# Altium PCB Bran_Main_Assay_PCB_v2.PcbDoc (part 12 of 15) (continued)
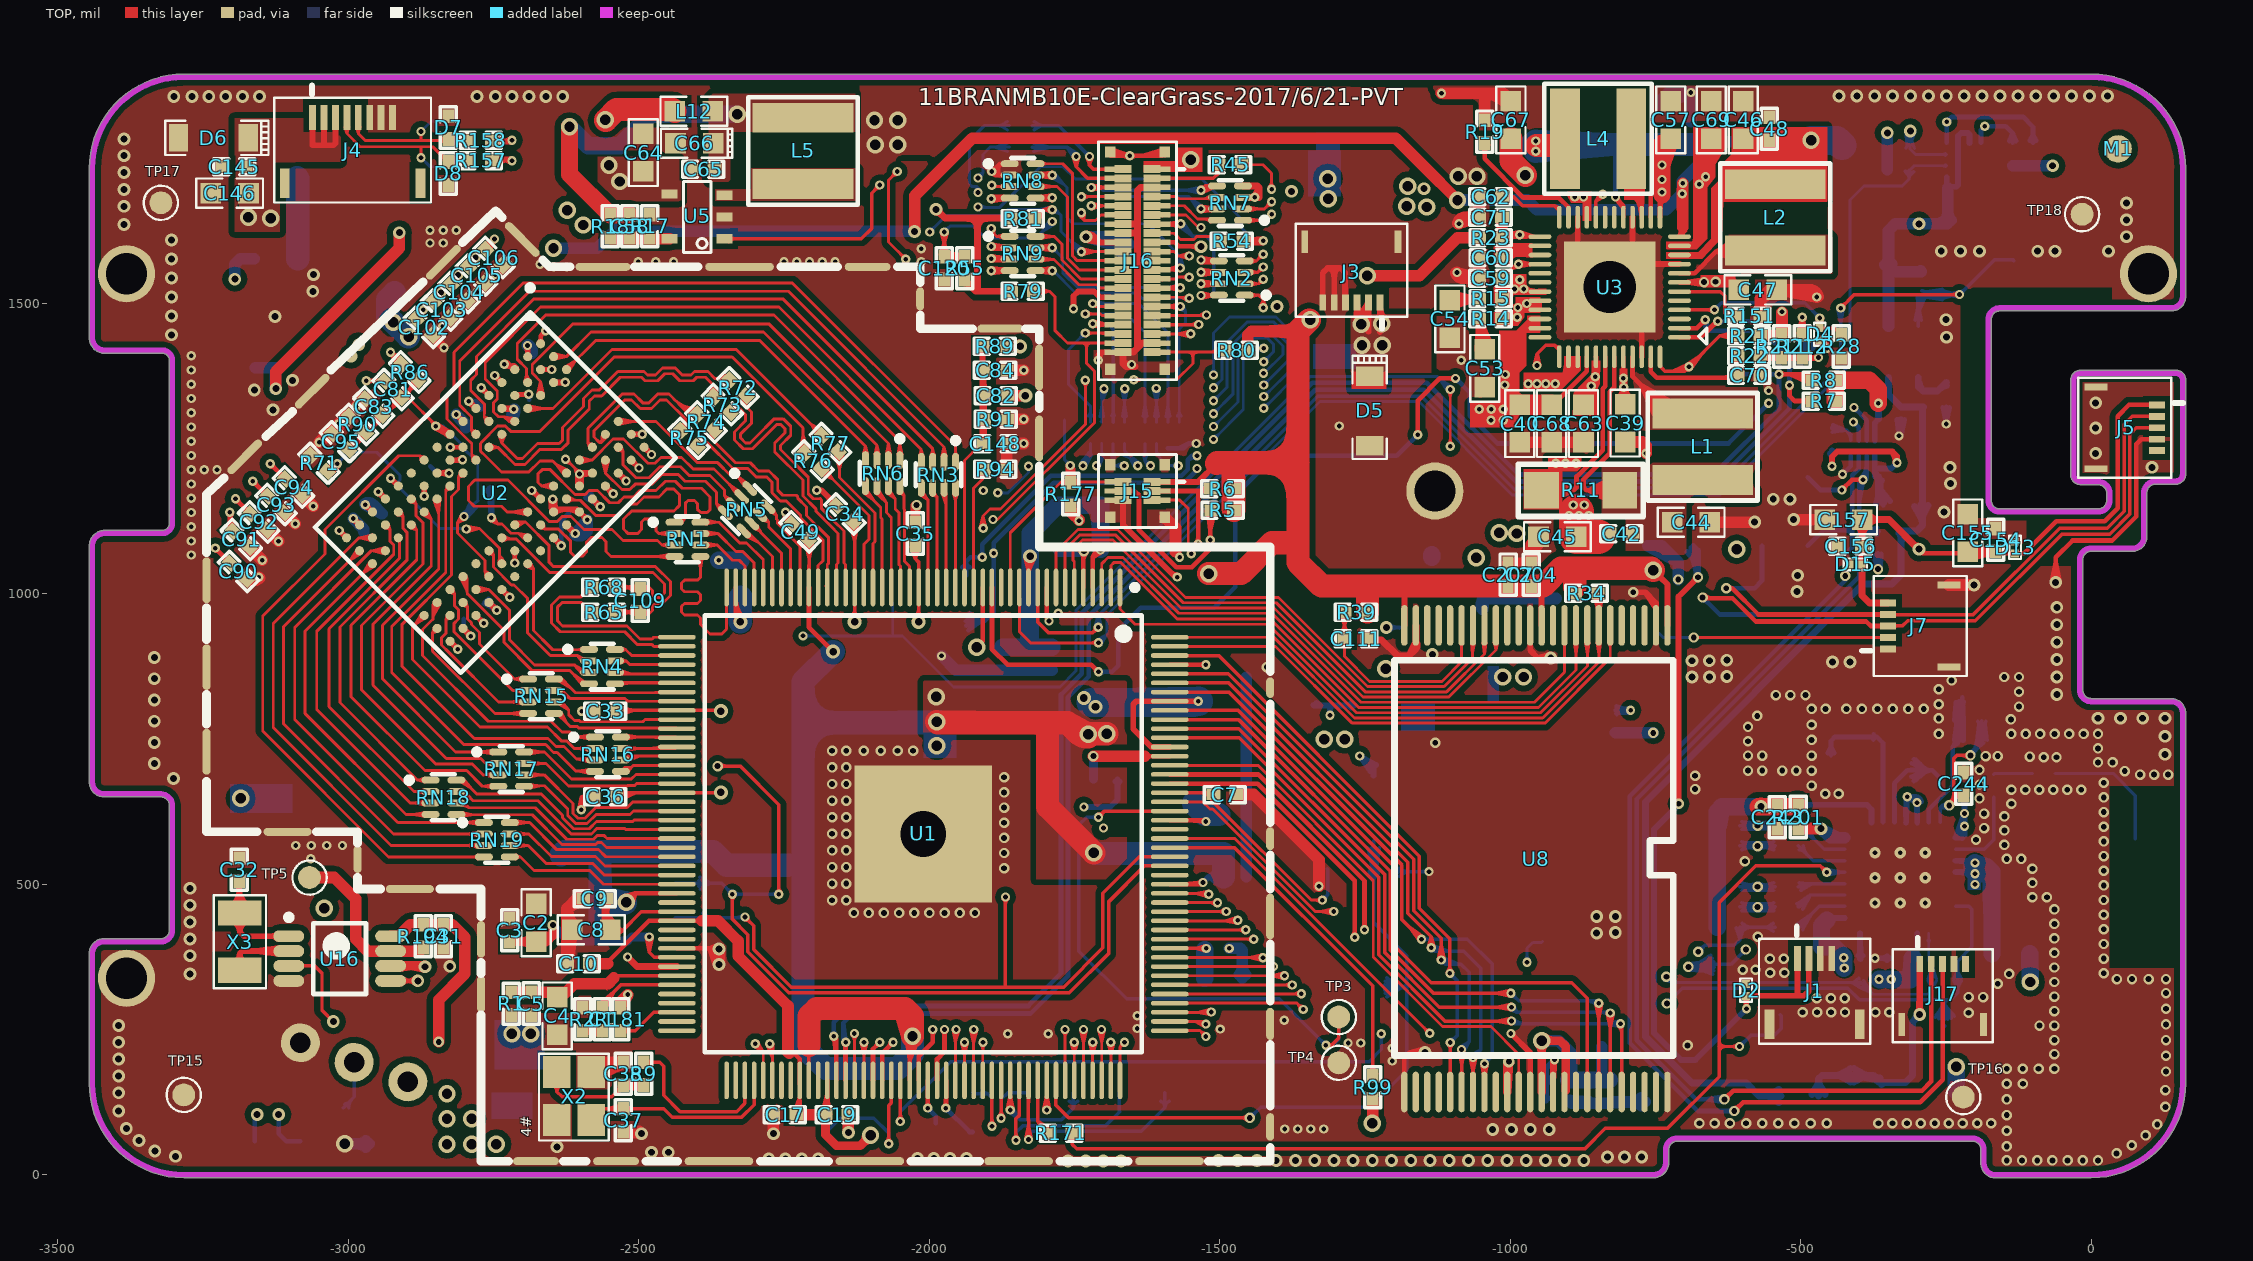
[diagram p0: TOP view]
## Nets (pads, with @x,y where several pads share a name; then routed paths per layer and width w, separated by ;. In a path a pad name is that pad's centre, name@x,y a point inside that pad or via, vN(x,y) a via of type N, cw(c..) or ccw(c..) an arc to the next point about the centre after c; other vN are vias at no path point) (continued)
SDQ7: RN1.6 U1.42 | length 246.8
  TOP w5: RN1.6@-2394.18,1084.08 -2365.03,1084.08 ; RN1.6@-2384.37,1080.6 -2365.03,1084.08 ; RN1.6@-2384.37,1087.57 -2365.03,1084.08 ; RN1.6@-2383.86,1080.68 -2378.42,1083.79 ; RN1.6@-2383.86,1087.48 -2378.42,1084.37 ; RN1.6@-2383.55,1080.77 -2378.42,1084.37 ; RN1.6@-2383.55,1087.39 -2378.42,1083.79 ; RN1.6@-2382.2,1081.61 cw(c-2376.23,1075.63) -2376.23,1084.08 cw(c-2376.23,1092.53) RN1.6@-2382.2,1086.56 ; U1.42@-2317.52,1011.13 -2317.52,1048.13 ; U1.42@-2317.52,1039.68 -2317.52,1048.13 ; RN1.6@-2384.68,1084.08 -2378.42,1084.37 ; RN1.6@-2384.68,1084.08 -2378.42,1083.79 ; RN1.6@-2384.68,1084.08 -2365.03,1084.08 ; -2365.03,1084.08 -2338.86,1057.91 -2327.3,1057.91 -2317.52,1048.13
SDQ8: RN5.7 U1.37 | length 224.8
  TOP w5: RN5.7@-2291.74,1136.15 -2288.71,1136.15 -2276.48,1123.92 ; RN5.7@-2286.38,1126.2 -2276.48,1123.92 ; RN5.7@-2286.09,1126.1 -2279.99,1125.98 ; RN5.7@-2284.16,1126.04 cw(c-2282.18,1118.22) -2276.48,1123.92 ; RN5.7@-2282.64,1132 -2276.48,1123.92 ; RN5.7@-2282.3,1131.63 -2279.99,1125.98 ; U1.37@-2238.78,1011.13 -2238.78,1077.26 -2276.48,1114.96 -2276.48,1123.92 ; U1.37@-2238.78,1039.68 -2238.78,1058.61 ; -2279.99,1125.98 -2285.02,1129.43 -2276.48,1123.92
SDQ9: RN6.7 U1.25 | length 256.8
  TOP w5: RN6.7@-2072.89,1173.52 -2058.7,1163.58 ; RN6.7@-2070.6,1172.67 cw(c-2070.6,1165.89) -2065.8,1170.68 ; RN6.7@-2070.6,1176.17 -2058.7,1163.58 ; RN6.7@-2070.6,1185.67 -2070.59,1175.47 -2058.7,1163.58 ; RN6.7@-2067.82,1178.31 -2058.7,1163.58 ; RN6.7@-2067.1,1176.17 ccw(c-2056.98,1176.17) -2064.14,1169.02 ; U1.25@-2049.8,1011.13 -2049.8,1048.07 ; U1.25@-2049.8,1039.68 -2049.8,1048.07 ; -2058.7,1163.58 -2058.7,1146.13 -2052.6,1140.03 -2052.6,1050.87 -2049.8,1048.07
SDQ10: RN5.5 U1.39 | length 267.8
  TOP w5: RN5.5@-2319.58,1108.31 -2314.04,1108.31 -2270.27,1064.54 U1.39@-2270.27,1011.13 ; RN5.5@-2314.61,1098.56 -2294.97,1089.24 ; RN5.5@-2314.2,1098.36 -2301.94,1095.17 ; RN5.5@-2312.86,1098.09 cw(c-2312.86,1076.26) -2297.42,1091.7 ; RN5.5@-2312.86,1103.09 cw(c-2312.86,1093.33) -2305.96,1100.23 ; RN5.5@-2310.68,1104.33 -2301.94,1095.17 ; RN5.5@-2310.64,1104.3 -2294.97,1089.24 ; U1.39@-2270.27,1039.68 -2270.27,1058.61 ; -2301.94,1095.17 -2312.86,1101.59 -2294.97,1089.24
SDQ11: RN6.8 U1.24 | length 231.2
  TOP w5: RN6.8@-2052.71,1173.17 -2043.7,1169.8 ; RN6.8@-2050.91,1176.17 -2043.7,1169.8 ; RN6.8@-2050.91,1185.67 -2050.9,1177 -2043.7,1169.8 ; RN6.8@-2050.84,1172.67 cw(c-2050.63,1162.87) -2043.7,1169.8 ; RN6.8@-2048.15,1178.33 -2043.7,1169.8 ; RN6.8@-2047.41,1176.17 ccw(c-2040.99,1176.17) -2045.53,1171.63 ; U1.24@-2034.05,1011.13 -2034.05,1047.54 ; U1.24@-2034.05,1039.68 -2034.05,1047.54 ; -2043.7,1169.8 -2043.7,1146.34 -2042.6,1145.24 -2042.6,1056.09 -2034.05,1047.54
SDQ12: RN5.8 U1.36 | length 264
  TOP w5: RN5.8@-2277.81,1150.07 -2263.43,1135.67 ; RN5.8@-2273.14,1140.51 -2263.43,1135.67 ; RN5.8@-2272.92,1140.37 -2266.88,1138.72 ; RN5.8@-2272.64,1140.21 -2266.46,1139.12 ; RN5.8@-2271.1,1139.85 cw(c-2271.1,1131.42) -2265.13,1137.38 ; RN5.8@-2268.25,1145.39 -2263.43,1135.67 ; RN5.8@-2268.11,1145.17 -2266.46,1139.12 ; RN5.8@-2267.95,1144.89 -2266.88,1138.72 ; RN5.8@-2267.6,1143.35 ccw(c-2259.13,1143.35) -2265.12,1137.37 ; U1.36@-2223.03,1011.13 -2223.03,1082.73 -2261.48,1121.18 -2261.48,1127.1 -2263.43,1129.05 -2263.43,1135.67 ; U1.36@-2223.03,1039.68 -2223.03,1058.61 ; RN5.8@-2271.1,1143.35 -2266.88,1138.72 ; RN5.8@-2271.1,1143.35 -2263.43,1135.67 ; RN5.8@-2271.1,1143.35 -2266.46,1139.12
SDQ13: RN6.6 U1.26 | length 309.3
  TOP w5: RN6.6@-2092.73,1173.68 -2075.3,1158.96 ; RN6.6@-2092.56,1173.52 -2084.92,1169.25 ; RN6.6@-2090.28,1185.67 -2090.27,1173.93 -2073.7,1157.36 -2073.7,1139.91 -2065.55,1131.76 U1.26@-2065.55,1011.13 ; RN6.6@-2087.47,1178.26 -2075.3,1158.96 ; RN6.6@-2087.14,1177.72 -2084.92,1169.25 ; RN6.6@-2086.78,1176.17 ccw(c-2072.94,1176.17) -2082.73,1166.39 ; U1.26@-2065.55,1039.68 -2065.55,1058.61 ; -2084.92,1169.25 -2090.28,1176.17 -2075.3,1158.96
SDQ14: RN5.6 U1.38 | length 238.6
  TOP w5: RN5.6@-2305.65,1122.23 -2290.34,1106.92 ; RN5.6@-2301.03,1112.71 -2290.34,1106.92 ; RN5.6@-2300.76,1112.53 -2294.71,1110.88 ; RN5.6@-2300.48,1112.37 -2294.3,1111.29 ; RN5.6@-2298.93,1112.01 cw(c-2298.93,1103.56) -2292.96,1109.54 ; RN5.6@-2296.13,1117.61 -2290.34,1106.92 ; RN5.6@-2295.95,1117.34 -2294.3,1111.29 ; RN5.6@-2295.79,1117.06 -2294.71,1110.88 ; RN5.6@-2295.44,1115.51 ccw(c-2286.99,1115.52) -2292.96,1109.54 ; U1.38@-2254.52,1011.13 -2254.52,1070.01 -2290.34,1105.83 -2290.34,1106.92 ; U1.38@-2254.52,1039.68 -2254.52,1058.61 ; RN5.6@-2298.94,1115.51 -2294.3,1111.29 ; RN5.6@-2298.94,1115.51 -2294.71,1110.88 ; RN5.6@-2298.94,1115.51 -2290.34,1106.92
SDQ15: RN6.5 U1.27 | length 285
  TOP w5: RN6.5@-2112.33,1173.59 -2094.85,1159.99 ; RN6.5@-2109.97,1172.67 cw(c-2109.97,1166.78) -2105.8,1170.95 ; RN6.5@-2109.97,1176.17 -2094.85,1159.99 ; RN6.5@-2109.97,1185.67 -2109.96,1175.1 -2083.7,1148.84 -2083.7,1131.49 -2081.3,1129.09 U1.27@-2081.3,1011.13 ; RN6.5@-2107.23,1178.35 -2094.85,1159.99 ; RN6.5@-2106.47,1176.17 ccw(c-2095.46,1176.17) -2103.24,1168.39 ; U1.27@-2081.3,1039.68 -2081.3,1058.61
SDQM0: R76.1 U1.29 | length 452.9
  TOP w5: R76.1@-2189.02,1207.39 -2166,1197.3 ; R76.1@-2188.55,1207.12 -2172.87,1202.99 ; R76.1@-2186.54,1206.41 -2176.31,1208.13 ; R76.1@-2185.12,1206.27 cw(c-2185.12,1181.78) -2167.8,1199.1 ; R76.1@-2185.12,1211.27 cw(c-2185.12,1198.85) -2176.34,1207.63 ; R76.1@-2184.84,1213.33 -2182.04,1213.33 -2103.71,1135 -2103.71,1094.1 -2112.79,1085.02 U1.29@-2112.79,1011.13 ; R76.1@-2179.59,1218.44 -2166,1197.3 ; R76.1@-2179.28,1218.07 -2176.31,1208.13 ; R76.1@-2179.17,1217.92 -2172.87,1202.99 ; R76.1@-2177.77,1213.61 ccw(c-2166.81,1213.61) -2174.56,1205.86 ; U1.29@-2112.79,1039.68 -2112.79,1058.61 ; R76.1@-2185.12,1213.61 -2166,1197.3 ; R76.1@-2185.12,1213.61 -2176.31,1208.13 ; R76.1@-2185.12,1213.61 -2172.87,1202.99
SDQM1: R77.1 U1.28 | length 430.7
  TOP w5: R77.1@-2162.39,1242.58 -2154.84,1215.49 ; R77.1@-2162.24,1241.81 -2155.47,1230.05 ; R77.1@-2160.31,1238.42 cw(c-2173.52,1225.21) -2154.84,1225.21 ; -2154.84,1226.56 cw(c-2138.06,1226.56) R77.1@-2149.93,1238.42 ; R77.1@-2154.84,1243.33 -2154.84,1200.29 -2093.71,1139.16 -2093.71,1089.95 -2097.04,1086.62 U1.28@-2097.04,1011.13 ; R77.1@-2148.1,1241.44 -2155.47,1230.05 ; R77.1@-2147.83,1242.72 -2154.84,1215.49 ; U1.28@-2097.04,1039.68 -2097.04,1058.61 ; -2155.47,1230.05 -2155.12,1243.61 -2154.84,1215.49
SDQS0: R72.1 U1.31 | length 610.8
  TOP w5: R72.1@-2321.46,1339.4 -2317.35,1324.17 ; R72.1@-2319.31,1334.42 cw(c-2324.04,1329.68) R72.1@-2317.35,1329.68 ; -2317.35,1323.84 cw(c-2307.64,1323.84) R72.1@-2311.33,1332.82 ; R72.1@-2314.12,1339.61 -2317.35,1324.17 ; R72.1@-2313.84,1339.33 -2317.35,1335.82 -2317.35,1324.17 ; R72.1@-2307.48,1336.47 -2317.35,1324.17 ; U1.31@-2144.29,1011.13 -2144.29,1050.78 ; U1.31@-2144.29,1039.68 -2144.29,1050.78 ; -2317.35,1324.17 -2306.39,1313.2 -2306.39,1293.77 -2325.43,1274.73 -2325.43,1269.07 -2316.27,1259.91 -2308.51,1259.91 -2299.36,1269.06 -2266.98,1301.45 -2251.64,1301.45 -2238.65,1288.46 -2238.65,1273.12 -2256.1,1255.67 -2256.1,1248.59 -2208.52,1201.01 -2208.52,1172.3 -2200.02,1163.81 -2188.01,1163.81 -2187.79,1164.02 -2185.43,1161.66 -2185.43,1146.64 -2184.43,1145.64 -2164.88,1126.08 -2147.16,1108.37 -2147.16,1053.65 -2144.29,1050.78
SDQS0-N: R73.1 U1.32 | length 595.1
  TOP w5: R73.1@-2344.54,1317.1 -2331.15,1320.02 ; R73.1@-2341.12,1310.61 -2331.15,1320.02 ; R73.1@-2340.84,1310.33 -2331.15,1320.02 ; R73.1@-2339.35,1317.74 ccw(c-2337.27,1326.15) -2331.15,1320.02 ; R73.1@-2334.83,1306.82 -2331.15,1320.02 ; R73.1@-2333.86,1311.73 cw(c-2324.33,1313.2) -2331.15,1320.02 ; U1.32@-2160.04,1011.13 -2160.04,1050.77 ; U1.32@-2160.04,1039.68 -2160.04,1050.77 ; -2331.15,1320.02 -2327.34,1320.02 -2316.39,1309.06 -2316.39,1297.92 -2335.43,1278.88 -2335.43,1264.92 -2320.42,1249.91 -2304.36,1249.91 -2289.36,1264.91 -2262.83,1291.45 -2255.79,1291.45 -2248.65,1284.31 -2248.65,1277.27 -2266.1,1259.82 -2266.1,1244.44 -2217.52,1195.86 -2217.52,1168.57 -2195.43,1146.49 -2195.43,1142.49 -2194.43,1141.48 -2169.02,1116.08 -2157.16,1104.22 -2157.16,1053.65 -2160.04,1050.77
SDQS1: R74.1 U1.33 | length 475.4
  TOP w5: R74.1@-2376.41,1281.44 -2374.43,1266.48 ; -2374.43,1265.52 cw(c-2366.44,1265.52) R74.1@-2367.84,1273.38 ; -2374.43,1271.48 cw(c-2367.5,1271.48) R74.1@-2368.71,1278.3 ; R74.1@-2369.12,1280.61 -2374.43,1266.48 ; R74.1@-2368.84,1280.33 -2374.43,1274.74 -2374.43,1266.48 ; R74.1@-2363.08,1276.43 -2374.43,1266.48 ; U1.33@-2178.43,1013.78 U1.33@-2175.78,1011.13 -2175.78,1050.42 ; U1.33@-2175.78,1039.68 -2175.78,1050.42 ; -2374.43,1266.48 -2333.79,1225.84 -2308.35,1225.84 -2294.12,1211.61 -2276.12,1211.61 -2260.92,1196.41 -2260.92,1178.41 -2252.43,1169.92 -2229.28,1169.92 -2226.52,1167.16 -2226.52,1164.85 -2211.43,1149.76 -2211.43,1134.86 -2173.32,1096.75 -2173.32,1052.88 -2175.78,1050.42
SDQS1-N: R75.1 U1.34 | length 450.1
  TOP w5: R75.1@-2401.81,1258.95 -2389.43,1261.92 ; R75.1@-2398.12,1252.61 -2389.43,1261.92 ; R75.1@-2397.84,1252.33 -2397.84,1253.51 -2389.43,1261.92 ; R75.1@-2396.6,1259.79 ccw(c-2394.97,1267.47) -2389.43,1261.92 ; R75.1@-2391.53,1249.36 -2389.43,1261.92 ; R75.1@-2391.13,1254.87 cw(c-2384.51,1257) -2389.43,1261.92 ; U1.34@-2191.53,1011.13 -2191.53,1048.82 ; U1.34@-2191.53,1039.68 -2191.53,1048.82 ; -2389.43,1261.92 -2384.02,1261.92 -2337.94,1215.84 -2312.5,1215.84 -2298.27,1201.61 -2280.27,1201.61 -2270.92,1192.26 -2270.92,1174.26 -2256.58,1159.92 -2246.23,1159.92 -2221.43,1135.12 -2221.43,1130.71 -2183.32,1092.6 -2183.32,1057.03 -2191.53,1048.82
SODT: RN19.5 U1.72 | length 403.2
  TOP w5: RN19.5@-2722.18,547.39 -2703.9,547.39 ; RN19.5@-2711.98,543.96 -2703.9,547.39 ; RN19.5@-2711.98,550.82 -2703.9,547.39 ; RN19.5@-2711.86,543.99 -2706.42,547.1 ; RN19.5@-2711.86,550.79 -2706.42,547.68 ; RN19.5@-2711.55,544.08 -2706.42,547.68 ; RN19.5@-2711.55,550.7 -2706.42,547.1 ; RN19.5@-2710.2,544.92 cw(c-2704.23,538.94) -2704.23,547.39 cw(c-2704.23,555.84) RN19.5@-2710.2,549.87 ; -2482.12,500.31 U1.72@-2463.18,500.31 ; U1.72@-2434.64,500.31 -2560.82,500.31 -2584.43,523.92 -2680.43,523.92 -2703.9,547.39 ; RN19.5@-2712.68,547.39 -2706.42,547.68 ; RN19.5@-2712.68,547.39 -2706.42,547.1 ; RN19.5@-2712.68,547.39 -2703.9,547.39
SRAS: RN16.6 U1.58 | length 374.3
  TOP w5: RN16.6@-2531.09,714.2 -2524.52,720.78 ; RN16.6@-2526.18,718.8 cw(c-2521.4,714.01) -2521.4,720.78 ; RN16.6@-2525.09,714.31 -2523.15,720.55 ; RN16.6@-2523.24,717.29 -2514.2,720.14 ; RN16.6@-2522.65,715.26 cw(c-2509.32,701.94) -2509.32,720.78 ; RN16.6@-2520.33,710.94 -2499.63,720.78 ; RN16.6@-2520.14,711.02 -2505.25,719.73 ; RN16.6@-2519.11,711.73 cw(c-2497.25,689.87) -2497.25,720.78 ; RN16.6@-2518.93,711.93 -2514.2,720.14 ; RN16.6@-2518.54,715.92 -2523.15,720.55 ; -2482.12,720.78 U1.58@-2463.18,720.78 ; U1.58@-2434.64,720.78 -2524.52,720.78 ; -2524.52,720.78 RN16.6@-2521.59,714.2 ; -2524.52,720.78 -2518.83,716.36 -2524.52,720.78 ; -2524.52,720.78 -2525.04,713.6 -2524.52,720.78 ; -2524.52,720.78 RN16.6@-2521.59,714.2 ; -2523.15,720.55 RN16.6@-2521.59,714.2 ; RN16.6@-2521.59,714.2 -2514.2,720.14 ; RN16.6@-2521.59,714.2 -2505.25,719.73 ; RN16.6@-2521.59,714.2 -2499.63,720.78 ; -2505.25,719.73 -2522.37,717.61 -2499.63,720.78
SRST: RN19.7 U1.70 | length 443.1
  TOP w5: RN19.7@-2722.18,586.76 -2689.43,586.76 -2650.59,547.92 -2574.47,547.92 -2558.35,531.8 U1.70@-2434.64,531.8 ; RN19.7@-2712.39,583.27 -2691.68,586.76 ; RN19.7@-2712.39,590.25 -2691.68,586.76 ; RN19.7@-2711.86,583.36 -2706.42,586.47 ; RN19.7@-2711.86,590.16 -2706.42,587.05 ; RN19.7@-2711.55,583.45 -2706.42,587.05 ; RN19.7@-2711.55,590.07 -2706.42,586.47 ; RN19.7@-2710.2,584.29 cw(c-2704.23,578.31) -2704.23,586.76 cw(c-2704.23,595.21) RN19.7@-2710.2,589.24 ; -2482.12,531.8 U1.70@-2463.18,531.8 ; RN19.7@-2712.68,586.76 -2706.42,587.05 ; RN19.7@-2712.68,586.76 -2706.42,586.47 ; RN19.7@-2712.68,586.76 -2691.68,586.76
SVREF: C82.2 C84.1 C148.2 R89.1 R91.2 U1.18 | length 2452.9
  TOP w5: U1.18@-1939.56,1011.13 -1939.56,1229.8 C148.2@-1910.44,1258.92 ; U1.18@-1939.56,1039.68 -1939.56,1058.61 ; -1924.64,1244.72 cw(c-1908.08,1228.16) C148.2@-1908.08,1251.58 ; -1918.95,1250.41 ccw(c-1927.46,1258.92) C148.2@-1915.42,1258.92 ; C84.1@-1915.8,1383.45 -1909.59,1372.54 ; C84.1@-1915.67,1382.96 -1908.38,1371.29 ; C148.2@-1915.22,1260.64 -1908.7,1272.03 ; C148.2@-1915.04,1261.28 -1907.49,1272.09 ; C82.2@-1914.93,1342.65 -1909.47,1352.51 ; C82.2@-1914.89,1342.89 -1908.27,1356.53 ; R91.2@-1914.87,1299.28 -1908.66,1288.35 ; R91.2@-1914.87,1302.49 -1908.66,1313.41 ; C82.2@-1914.87,1339.78 -1908.66,1328.85 ; R91.2@-1914.74,1298.79 -1907.45,1287.14 ; R91.2@-1914.74,1302.97 -1907.45,1314.63 ; C82.2@-1914.74,1339.29 -1907.45,1327.64 ; C84.1@-1914,1384.67 -1909.03,1360.04 ; C84.1@-1913.82,1379.86 cw(c-1925.37,1368.3) -1909.03,1368.31 ; C148.2@-1913.44,1259.42 -1908.1,1283.89 ; C148.2@-1913.27,1264.11 ccw(c-1925.77,1276.61) -1908.1,1276.61 ; C82.2@-1913.08,1341.49 -1909.03,1366.58 ; R91.2@-1913.07,1300.5 -1908.1,1275.87 ; R91.2@-1913.07,1301.27 -1908.1,1325.89 ; C82.2@-1913.07,1341 -1908.1,1316.38 ; R91.2@-1912.89,1295.69 cw(c-1924.47,1284.11) -1908.1,1284.11 ; R91.2@-1912.89,1306.07 ccw(c-1924.47,1317.65) -1908.1,1317.65 ; C82.2@-1912.89,1336.19 cw(c-1924.47,1324.61) -1908.1,1324.61 ; C82.2@-1912.9,1346.57 ccw(c-1922.26,1355.92) -1909.02,1355.93 ; -1909.03,1362.28 ccw(c-1886.81,1362.29) C82.2@-1902.51,1346.58 ; -1909.03,1366.34 cw(c-1889.92,1366.35) C84.1@-1903.44,1379.86 ; C84.1@-1909.04,1385.04 C82.2@-1909.02,1342.31 ; C148.2@-1908.53,1259.23 C148.2@-1910.44,1258.92 ; C148.2@-1908.48,1259.24 C148.2@-1908.1,1259.3 ; -1908.1,1276.69 ccw(c-1890.32,1276.69) C148.2@-1902.89,1264.11 ; -1908.1,1282.2 cw(c-1889.02,1282.2) R91.2@-1902.51,1295.69 ; -1908.1,1319.57 ccw(c-1889.02,1319.57) R91.2@-1902.51,1306.07 ; -1908.1,1322.7 cw(c-1889.02,1322.7) C82.2@-1902.51,1336.19 ; C84.1@-1906.66,1385.05 -1909.03,1360.04 ; C148.2@-1906.11,1258.92 -1908.1,1283.89 ; C84.1@-1901.79,1382.38 -1909.59,1372.54 ; C84.1@-1901.52,1383.22 -1908.38,1371.29 ; C82.2@-1901.22,1344.84 -1909.47,1352.51 ; C148.2@-1901.14,1261.3 -1908.7,1272.03 ; C148.2@-1900.95,1260.65 -1907.49,1272.09 ; R91.2@-1900.86,1298.21 -1908.66,1288.35 ; R91.2@-1900.86,1303.55 -1908.66,1313.41 ; C82.2@-1900.86,1338.71 -1908.66,1328.85 ; C82.2@-1900.65,1343.42 -1908.27,1356.53 ; R91.2@-1900.59,1299.05 -1907.45,1287.14 ; R91.2@-1900.59,1302.71 -1907.45,1314.63 ; C82.2@-1900.59,1339.55 -1907.45,1327.64 ; C84.1@-1899.53,1383.3 -1909.03,1360.04 ; C148.2@-1898.96,1260.57 -1908.1,1283.89 ; C82.2@-1898.67,1343.38 -1909.03,1366.58 ; R91.2@-1898.6,1299.13 -1908.1,1275.87 ; R91.2@-1898.6,1302.63 -1908.1,1325.89 ; C82.2@-1898.6,1339.63 -1908.1,1316.38 ; C148.2@-1910.44,1258.92 -1908.48,1258.92 C148.2@-1908.1,1259.3 ; -1909.59,1372.54 -1908.63,1385.05 -1908.38,1371.29 ; -1909.47,1352.51 C82.2@-1907.7,1341.38 ; -1909.03,1366.58 C82.2@-1905.73,1341.38 -1908.1,1316.38 ; C82.2@-1909.02,1342.31 C82.2@-1908.48,1341.77 ; C82.2@-1909.02,1342.31 C82.2@-1908.48,1341.77 ; -1908.7,1272.03 -1908.08,1258.92 -1907.49,1272.09 ; -1908.66,1288.35 R91.2@-1907.7,1300.88 ; -1908.66,1313.41 R91.2@-1907.7,1300.88 ; -1908.66,1328.85 C82.2@-1907.7,1341.38 ; C82.2@-1908.48,1341.77 C82.2@-1908.1,1341.38 ; C82.2@-1908.48,1341.77 C82.2@-1908.1,1341.38 ; -1908.27,1356.53 C82.2@-1907.7,1341.38 ; C148.2@-1908.1,1259.3 -1908.1,1300.88 C82.2@-1908.1,1341.38 ; -1908.1,1275.87 R91.2@-1905.73,1300.88 -1908.1,1325.89 ; R91.2@-1907.7,1300.88 -1907.45,1314.63 ; R91.2@-1907.7,1300.88 -1907.45,1287.14 ; C82.2@-1907.7,1341.38 -1907.45,1327.64
  TOP w6: R89.1@-1915.75,1424.47 -1909.31,1413.84 ; R89.1@-1914,1425.63 -1908.48,1403.51 ; R89.1@-1913.88,1424.89 -1908.19,1414.23 ; R89.1@-1913.87,1421.32 cw(c-1925.55,1409.06) -1908.62,1409.47 ; R89.1@-1909.55,1426.27 -1909.02,1425.74 -1908.48,1403.51 ; R89.1@-1909.15,1426.27 -1909.31,1413.84 ; -1908.64,1410.05 cw(c-1892.53,1410.44) R89.1@-1904.2,1421.55 ; R89.1@-1902.6,1424.31 -1909.31,1413.84 ; R89.1@-1900.81,1423.79 -1908.19,1414.23 ; R89.1@-1900.49,1424.86 -1908.48,1403.51 ; -1908.48,1403.51 R89.1@-1907.18,1426.27 -1908.19,1414.23
  TOP w8.92: C82.2@-1909.02,1342.31 C82.2@-1908.48,1341.38
  TOP w9.22: R91.2@-1908.48,1300.89 R91.2@-1908.1,1300.88
  TOP w10: R89.1@-1912.58,1422.85 cw(c-1922.47,1412.96) -1908.48,1412.96 ; C84.1@-1912.01,1381.58 cw(c-1919.2,1374.21) -1908.9,1374.34 ; C84.1@-1911.95,1388.58 ccw(c-1919.01,1396.08) -1908.71,1395.77 ; C148.2@-1911.51,1262.35 ccw(c-1918.82,1269.66) -1908.48,1269.66 ; R89.1@-1909.55,1426.27 -1909.02,1425.74 -1908.48,1425.2 -1908.48,1403.51 ; C84.1@-1909.04,1385.02 -1908.48,1341.77 C82.2@-1908.48,1341.38 ; C84.1@-1909.04,1385.05 -1909.04,1385.12 -1908.48,1403.51 ; C84.1@-1908.99,1381.43 C82.2@-1905.73,1341.38 ; -1908.88,1372.38 cw(c-1895.8,1372.54) C84.1@-1905.16,1381.67 ; -1908.68,1396.82 ccw(c-1897.72,1396.49) C84.1@-1905.29,1388.56 ; -1908.65,1354.94 ccw(c-1894.31,1355.12) C82.2@-1904.32,1344.85 ; C82.2@-1908.52,1345.02 C84.1@-1906.66,1385.05 -1908.48,1403.51 ; C148.2@-1908.48,1258.92 -1908.48,1259.24 R91.2@-1908.48,1300.88 ; C148.2@-1908.48,1260.82 R91.2@-1905.73,1300.88 C82.2@-1908.48,1340.94 ; -1908.48,1271.57 ccw(c-1895.43,1271.57) C148.2@-1904.66,1262.35 ; -1908.48,1287.32 cw(c-1894.14,1287.32) R91.2@-1904.28,1297.46 ; R91.2@-1908.48,1298.93 C148.2@-1906.11,1258.92 R91.2@-1905.86,1299.04 ; R91.2@-1908.48,1300.89 C82.2@-1908.48,1341.38 ; R91.2@-1908.48,1301.32 C82.2@-1905.73,1341.38 ; -1908.48,1314.45 ccw(c-1894.14,1314.45) R91.2@-1904.28,1304.31 ; -1908.48,1327.82 cw(c-1894.14,1327.82) C82.2@-1904.28,1337.96 ; -1908.48,1416.21 cw(c-1899.09,1416.21) R89.1@-1905.73,1422.85 ; C82.2@-1908.1,1341.38 C82.2@-1908.48,1341.38 ; -1908.12,1351.23 -1907.7,1341.38 -1907.99,1331.53 ; -1907.99,1291.03 -1907.7,1300.88 -1907.99,1310.73 ; R89.1@-1907.18,1426.27 -1908.48,1403.51 ; C84.1@-1906.82,1381.7 C82.2@-1905.73,1341.38 ; R91.2@-1905.76,1301.24 C82.2@-1905.73,1341.38
SWE: RN17.8 U1.60 | length 418.2
  TOP w5: RN17.8@-2697.55,728.03 -2662.43,727.92 -2616.01,681.5 -2512.99,681.5 -2505.21,689.28 U1.60@-2434.64,689.28 ; RN17.8@-2687.77,724.54 -2667.05,727.94 ; RN17.8@-2687.74,731.52 -2667.05,727.94 ; RN17.8@-2687.25,724.62 -2681.83,727.7 ; RN17.8@-2687.21,731.43 -2681.74,728.27 ; RN17.8@-2686.95,724.71 -2681.74,728.27 ; RN17.8@-2686.89,731.33 -2681.83,727.7 ; RN17.8@-2685.58,725.55 cw(c-2679.7,719.63) -2679.67,727.98 ; RN17.8@-2685.57,730.5 ccw(c-2679.5,736.53) -2679.53,727.98 ; -2482.12,689.28 U1.60@-2463.18,689.28 ; RN17.8@-2688.05,728.03 -2667.05,727.94 ; RN17.8@-2688.05,728.03 -2681.74,728.27 ; RN17.8@-2688.05,728.03 -2681.83,727.7
SZQ: R94.2 U1.17 | length 383.6
  TOP w5: U1.17@-1923.82,1011.13 -1923.82,1182.05 -1908.48,1197.39 ; U1.17@-1923.82,1039.68 -1923.82,1058.61 ; R94.2@-1915.29,1213.55 -1908.48,1197.39 ; R94.2@-1915.25,1213.32 -1909.04,1202.39 ; R94.2@-1915.04,1212.57 -1907.71,1202.35 ; R94.2@-1913.27,1209.73 cw(c-1924.85,1198.15) -1908.48,1198.15 ; R94.2@-1908.48,1214.92 -1908.48,1197.39 ; R94.2@-1903.13,1209.5 ccw(c-1892.09,1197.39) -1908.48,1197.39 ; R94.2@-1901.24,1212.25 -1909.04,1202.39 ; R94.2@-1901,1212.99 -1907.71,1202.35 ; R94.2@-1900.94,1213.22 -1908.48,1197.39 ; -1909.04,1202.39 R94.2@-1908.08,1214.92 ; -1908.48,1197.39 R94.2@-1908.08,1214.92 ; R94.2@-1908.08,1214.92 -1907.71,1202.35
TP-INT: J15.2 R177.1 TP30.1 U1.13 | length 1420.3
  TOP w5: U1.13@-1860.82,1011.13 -1860.82,1105.33 -1773.24,1192.91 ; U1.13@-1860.82,1039.68 -1860.82,1058.61 ; -1772.4,1192.91 cw(c-1772.4,1177.71) R177.1@-1761.66,1188.46 ; R177.1@-1763.76,1194.44 v1@-1757.46,1218.51 ; R177.1@-1763.67,1195.05 -1757.95,1205.26 ; R177.1@-1763.61,1195.35 -1756.74,1208.32 ; v1@-1762.93,1220.34 R177.1@-1757.46,1198 ; v1@-1762.93,1221.61 R177.1@-1762.74,1198.36 ; v1@-1762.9,1220.15 R177.1@-1756.64,1198.01 ; v1@-1762.81,1219.71 -1757.92,1211.16 ; v1@-1762.7,1219.32 R177.1@-1754.63,1203.22 ; v1@-1762.67,1219.22 -1757.01,1211.16 ; v1@-1762.49,1218.76 R177.1@-1750.51,1198.63 ; v1@-1762.38,1218.53 -1755.77,1211.51 ; R177.1@-1762.21,1198.23 cw(c-1773.24,1207.01) -1773.24,1192.91 ; R177.1@-1761.66,1198.85 ccw(c-1771.78,1208.97) -1757.46,1208.97 ; v1@-1761.35,1217.11 cw(c-1770.74,1207.72) -1757.46,1207.72 cw(c-1744.19,1207.72) v1@-1753.58,1217.11 ; v1@-1760.21,1216.24 cw(c-1763.67,1210.25) -1756.99,1212.04 ; R177.1@-1759.12,1184.84 -1768.47,1192.4 ; R177.1@-1758.93,1186.74 -1768.08,1193.89 ; R177.1@-1758.64,1200.67 -1768.08,1193.89 ; R177.1@-1758.59,1184.66 -1773.24,1192.91 ; R177.1@-1758.29,1198.8 -1768.47,1192.4 ; R177.1@-1757.54,1198.95 -1773.24,1192.91 ; v1@-1757.46,1213.79 ccw(c-1736.32,1213.79) -1751.27,1198.85 ccw(c-1736.95,1213.17) -1736.95,1192.91 ; -1755.47,1206.34 cw(c-1743.11,1209.66) v1@-1753.15,1217.59 ; R177.1@-1754.64,1198.8 -1744.46,1192.4 ; R177.1@-1754.6,1186.55 -1742.19,1193.6 ; R177.1@-1754.55,1200.74 -1742.19,1193.6 ; R177.1@-1753.81,1184.84 -1744.46,1192.4 ; v1@-1752.29,1219.13 R177.1@-1762.74,1198.36 ; v1@-1752.26,1219.22 -1757.92,1211.16 ; v1@-1752.12,1219.71 -1757.01,1211.16 ; v1@-1752.06,1222 R177.1@-1750.51,1198.63 ; v1@-1751.98,1220.54 R177.1@-1756.64,1198.01 ; v1@-1751.96,1221.03 R177.1@-1754.63,1203.22 ; R177.1@-1751.27,1188.46 cw(c-1740.52,1177.71) -1740.52,1192.91 ; R177.1@-1749.84,1196.82 -1757.95,1205.26 ; R177.1@-1749.39,1195.63 -1756.74,1208.32 ; R177.1@-1749.25,1195.03 v1@-1757.46,1218.51 ; -1713.82,1192.91 J15.2@-1694.09,1192.91 ; J15.2@-1695.67,1191.34 ccw(c-1699.46,1187.54) -1699.46,1192.91 ccw(c-1699.46,1198.28) J15.2@-1695.67,1194.49 ; J15.2@-1689.96,1192.91 -1756.46,1192.91 R177.1@-1757.46,1192.91 ; J15.2@-1687.1,1192.91 J15.2@-1666.73,1192.91 J15.2@-1685.83,1192.91 ; J15.2@-1684.25,1191.34 cw(c-1680.46,1187.54) -1680.46,1192.91 cw(c-1680.46,1198.28) J15.2@-1684.25,1194.49 ; -1773.24,1192.91 R177.1@-1756.46,1191.68 ; -1773.24,1192.91 R177.1@-1757.46,1192.91 ; -1768.47,1192.4 R177.1@-1756.46,1191.68 ; -1768.08,1193.89 R177.1@-1756.46,1193.65 ; R177.1@-1762.74,1198.36 v1(-1757.46,1221) ; -1757.95,1205.26 R177.1@-1756.46,1193.65 ; -1757.92,1211.16 v1(-1757.46,1221) ; R177.1@-1757.46,1192.91 v1(-1757.46,1221) ; R177.1@-1757.46,1198 v1(-1757.46,1221) ; R177.1@-1757.46,1198 -1752,1220.34 -1755.77,1211.51 ; v1@-1757.46,1218.51 R177.1@-1756.46,1193.65 ; v1(-1757.46,1221) R177.1@-1756.64,1198.01 ; v1(-1757.46,1221) R177.1@-1750.51,1198.63 ; v1(-1757.46,1221) -1755.77,1211.51 ; v1(-1757.46,1221) -1757.01,1211.16 ; v1(-1757.46,1221) R177.1@-1754.63,1203.22 ; -1756.74,1208.32 R177.1@-1756.46,1193.65 ; R177.1@-1756.46,1191.68 -1744.46,1192.4 ; R177.1@-1756.46,1193.65 -1742.19,1193.6
  BOTTOM w5: TP30.1@-1767.72,1299.21 -1767.72,1231.25 v1(-1757.46,1221) ; v1@-1762.96,1221 ccw(c-1776.24,1221) -1766.85,1230.39 ccw(c-1757.46,1239.78) v1@-1757.46,1226.5
TS: J2.2 R178.2 U3.37 | length 3589
  TOP w6: v1@-958.98,1393.93 -954.02,1413.31 ; v1@-958.88,1394.48 -954.43,1402.25 ; v1@-958.75,1394.92 -953.6,1402.25 ; v1@-957.55,1396.84 ccw(c-966.09,1405.38) -954.02,1405.38 ccw(c-941.94,1405.38) v1@-950.48,1396.84 ; v1@-949.28,1394.92 -954.43,1402.25 ; v1@-949.16,1394.48 -953.6,1402.25 ; v1@-949.06,1393.93 -954.02,1413.31 ; -921.46,1426.38 U3.37@-915.63,1423.98 ; U3.37@-915.63,1408.23 -915.63,1419.92 -924.02,1428.31 ; U3.37@-915.64,1424.91 cw(c-915.82,1436.5) -924.02,1428.31 ; -954.43,1402.25 v1(-954.02,1393.31) ; v1(-954.02,1393.31) -953.6,1402.25 ; v1(-954.02,1393.31) -954.02,1413.31 ; -954.02,1413.31 -939.02,1428.31 -924.02,1428.31
  Singal w6: J2.2@-2990.16,193.82 -2930.15,253.83 -2844.34,253.83 -2734.34,143.83 -2032.33,143.83 -1978.32,197.83 -1639.3,197.83 -1623.83,213.31 -1392.54,213.31 -1324.95,280.9 -1324.95,411.16 -1241.45,494.66 -1241.45,665.02 -939.2,967.26 -939.2,1259.74 -885.46,1313.47 -885.46,1375 -903.77,1393.31 v1(-954.02,1393.31) ; v1@-953.53,1388.33 -928.02,1393.31 v1@-953.53,1398.28 ; v1@-952.84,1388.45 -945.07,1392.9 ; v1@-952.84,1398.17 -945.07,1393.72 ; v1@-952.4,1388.57 -945.07,1393.72 ; v1@-952.4,1398.04 -945.07,1392.9 ; v1@-950.48,1389.77 cw(c-941.94,1381.24) -941.94,1393.31 cw(c-941.94,1405.38) v1@-950.48,1396.84 ; v1(-954.02,1393.31) -945.07,1393.72 ; v1(-954.02,1393.31) -945.07,1392.9
  BOTTOM w6: R178.2@-3008.51,115.84 -2990.16,134.19 J2.2@-2990.16,193.82 ; R178.2@-3006.66,122 ccw(c-3006.66,132.43) -2999.29,125.06 ; R178.2@-2999.82,115.16 cw(c-2977.21,115.16) -2993.2,131.15
TWI0-SCK: R8.2 TP7.1 U1.101 U3.2 | length 3792.7
  TOP w8: v1@-2167.28,236 cw(c-2184.75,218.52) -2160.04,218.52 ; -2160.88,224.92 v1(-2164.45,238.83) ; U1.101@-2160.04,162.71 -2160.04,234.42 v1(-2164.45,238.83) ; U1.101@-2160.04,191.26 -2160.04,219.19 ; -2160.04,205.08 v1(-2164.45,238.83) ; U3.2@-708.94,1457.44 -678.83,1457.44 ; U3.2@-693.19,1457.44 -678.83,1457.44 ; v1@-668.45,1471.83 cw(c-678.11,1471.83) -671.28,1465 cw(c-664.45,1458.17) v1@-664.45,1467.83 ; v1(-537.46,1378) -490.15,1378 ; v1@-534.64,1375.17 cw(c-527.81,1368.34) -527.81,1378 cw(c-527.81,1387.66) v1@-534.64,1380.83 ; -520.37,1378 cw(c-520.37,1329.75) R8.2@-486.25,1363.87 ; -501.05,1378 cw(c-501.05,1349.07) R8.2@-480.59,1369.53 ; R8.2@-488.73,1376.58 ccw(c-482.12,1383.2) R8.2@-482.12,1373.84 ; R8.2@-487.78,1369.43 ccw(c-496.52,1371.63) -490.15,1378 ; R8.2@-486.58,1364.23 -493.56,1377.01 ; R8.2@-484.51,1362.67 -507.88,1376.36 ; R8.2@-484.1,1362.51 -518.38,1378 ; R8.2@-481.01,1373.74 -518.38,1378 ; R8.2@-480.93,1373.72 -507.88,1376.36 ; R8.2@-480.15,1368 -490.15,1378 ; R8.2@-479.5,1373.22 -493.56,1377.01 ; -678.83,1457.44 v1(-664.45,1471.83) -678.83,1457.44 ; -518.38,1378 R8.2@-482.12,1368 ; -507.88,1376.36 R8.2@-482.12,1368 ; -493.56,1377.01 R8.2@-482.12,1368 ; -490.15,1378 R8.2@-482.12,1368 ; -490.15,1378 -478.52,1372.6 -490.15,1378 ; -490.15,1378 -487.39,1365.47 -490.15,1378 ; -490.15,1378 R8.2@-482.12,1368
  BOTTOM w8: v1@-2167.28,241.66 ccw(c-2174.11,248.48) -2164.45,248.48 ccw(c-2154.79,248.48) v1@-2161.62,241.66 ; v1(-2164.45,238.83) -2164.45,262.87 -2136.5,290.83 -1829.45,290.83 -1773.45,346.83 -1773.45,826.8 -1737.45,862.8 -1737.45,966.89 -1340.84,1363.5 -1143.84,1363.5 -985.97,1205.64 -650.12,1205.64 -537.46,1318.29 v1(-537.46,1378) ; v1@-667.28,1469 cw(c-674.11,1462.17) -664.45,1462.17 cw(c-654.79,1462.17) v1@-661.62,1469 ; TP7.1@-594.49,1377.95 -594.44,1378 v1(-537.46,1378) ; -569.46,1378 v1(-537.46,1378) ; -537.46,1346 v1(-537.46,1378) ; v1@-534.64,1375.17 ccw(c-527.81,1368.34) -537.46,1368.34 ccw(c-547.12,1368.34) -540.29,1375.17 ccw(c-547.12,1368.34) -547.12,1378 ccw(c-547.12,1387.66) -540.29,1380.83 ccw(c-547.12,1387.66) -537.46,1387.66 ccw(c-527.81,1387.66) v1@-534.64,1380.83 ; -664.45,1459.98 v1(-664.45,1471.83) ; -664.45,1459.98 v1(-664.45,1471.83) ; -664.45,1459.98 v1(-664.45,1471.83) ; -664.45,1459.98 -657.46,1453 ; v1(-664.45,1471.83) -657.46,1453 ; -657.46,1453 -585.46,1453 -537.46,1405 v1(-537.46,1378)